# Altium PCB MB1297.PcbDoc (part 1 of 4)
Units mm, origin at the board's own origin, x right, y up, seen from the top; angles counter-clockwise.
Board outline 90.1 x 62.11 mm, 4 copper layers (Top Layer, GND, POWER+GND, Bottom Layer), stack 0.778 mm thick; 235 components, 174 nets, 1727 pads, 1 vias.
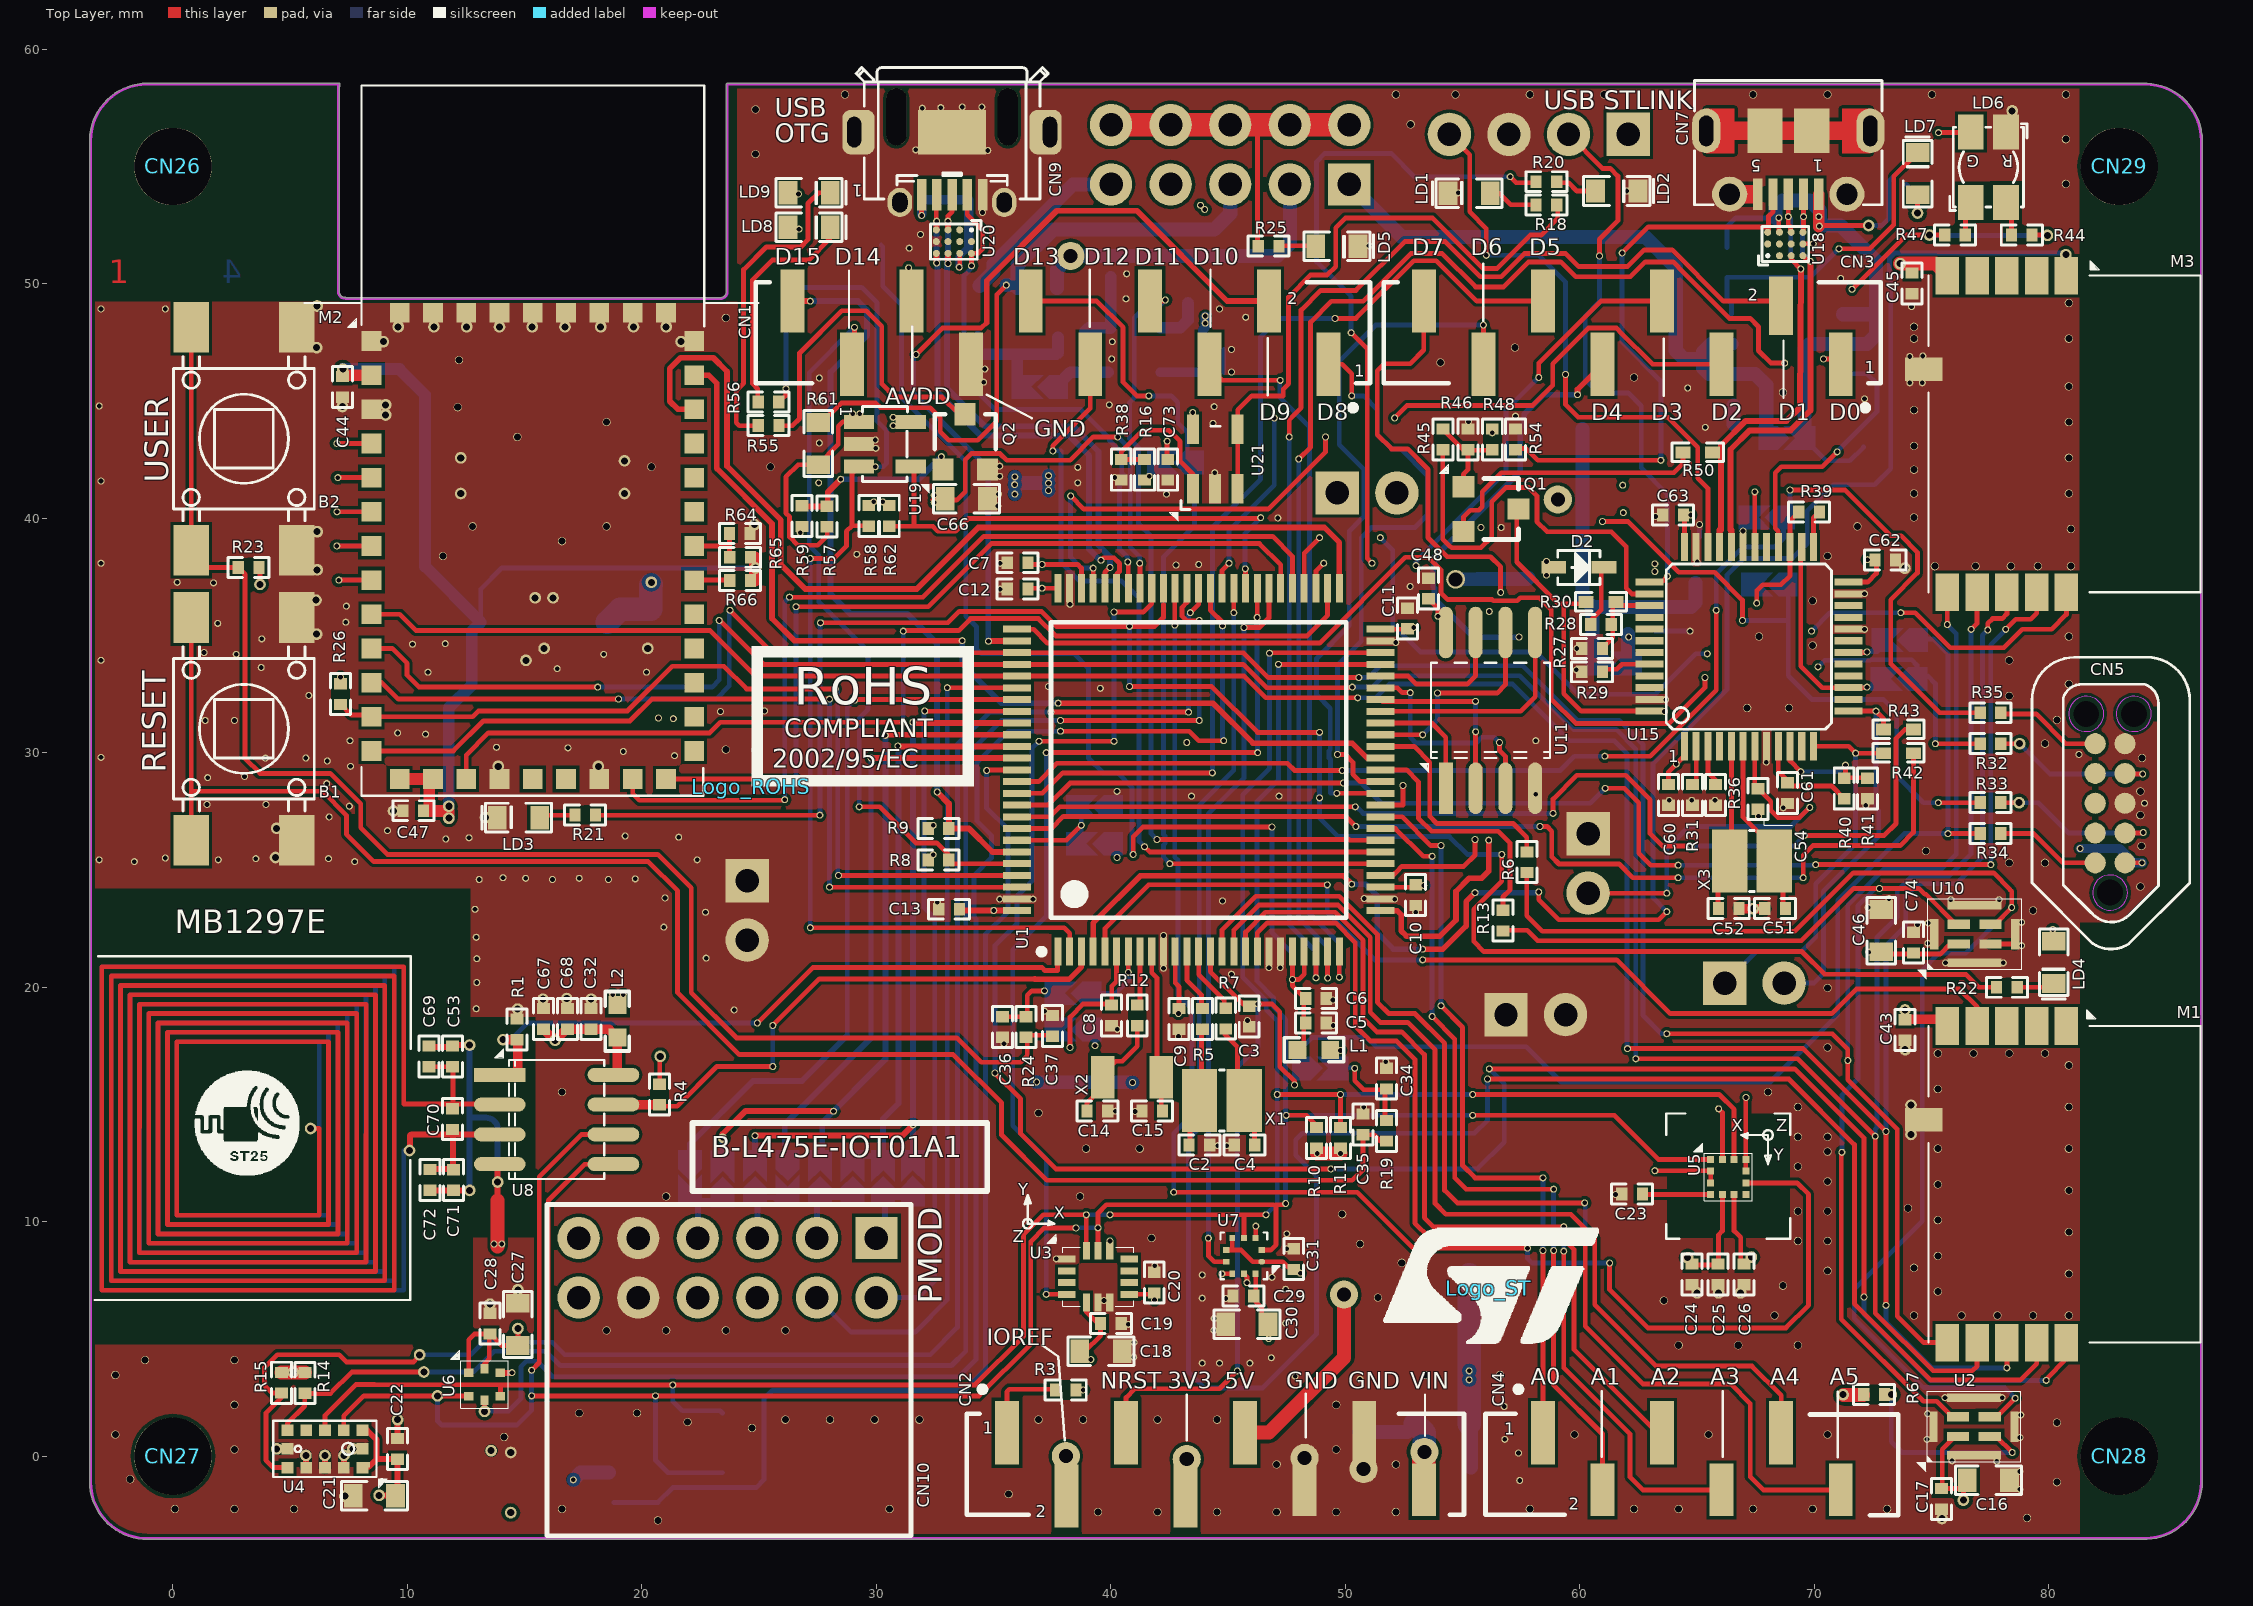
[diagram p0: Top Layer view]
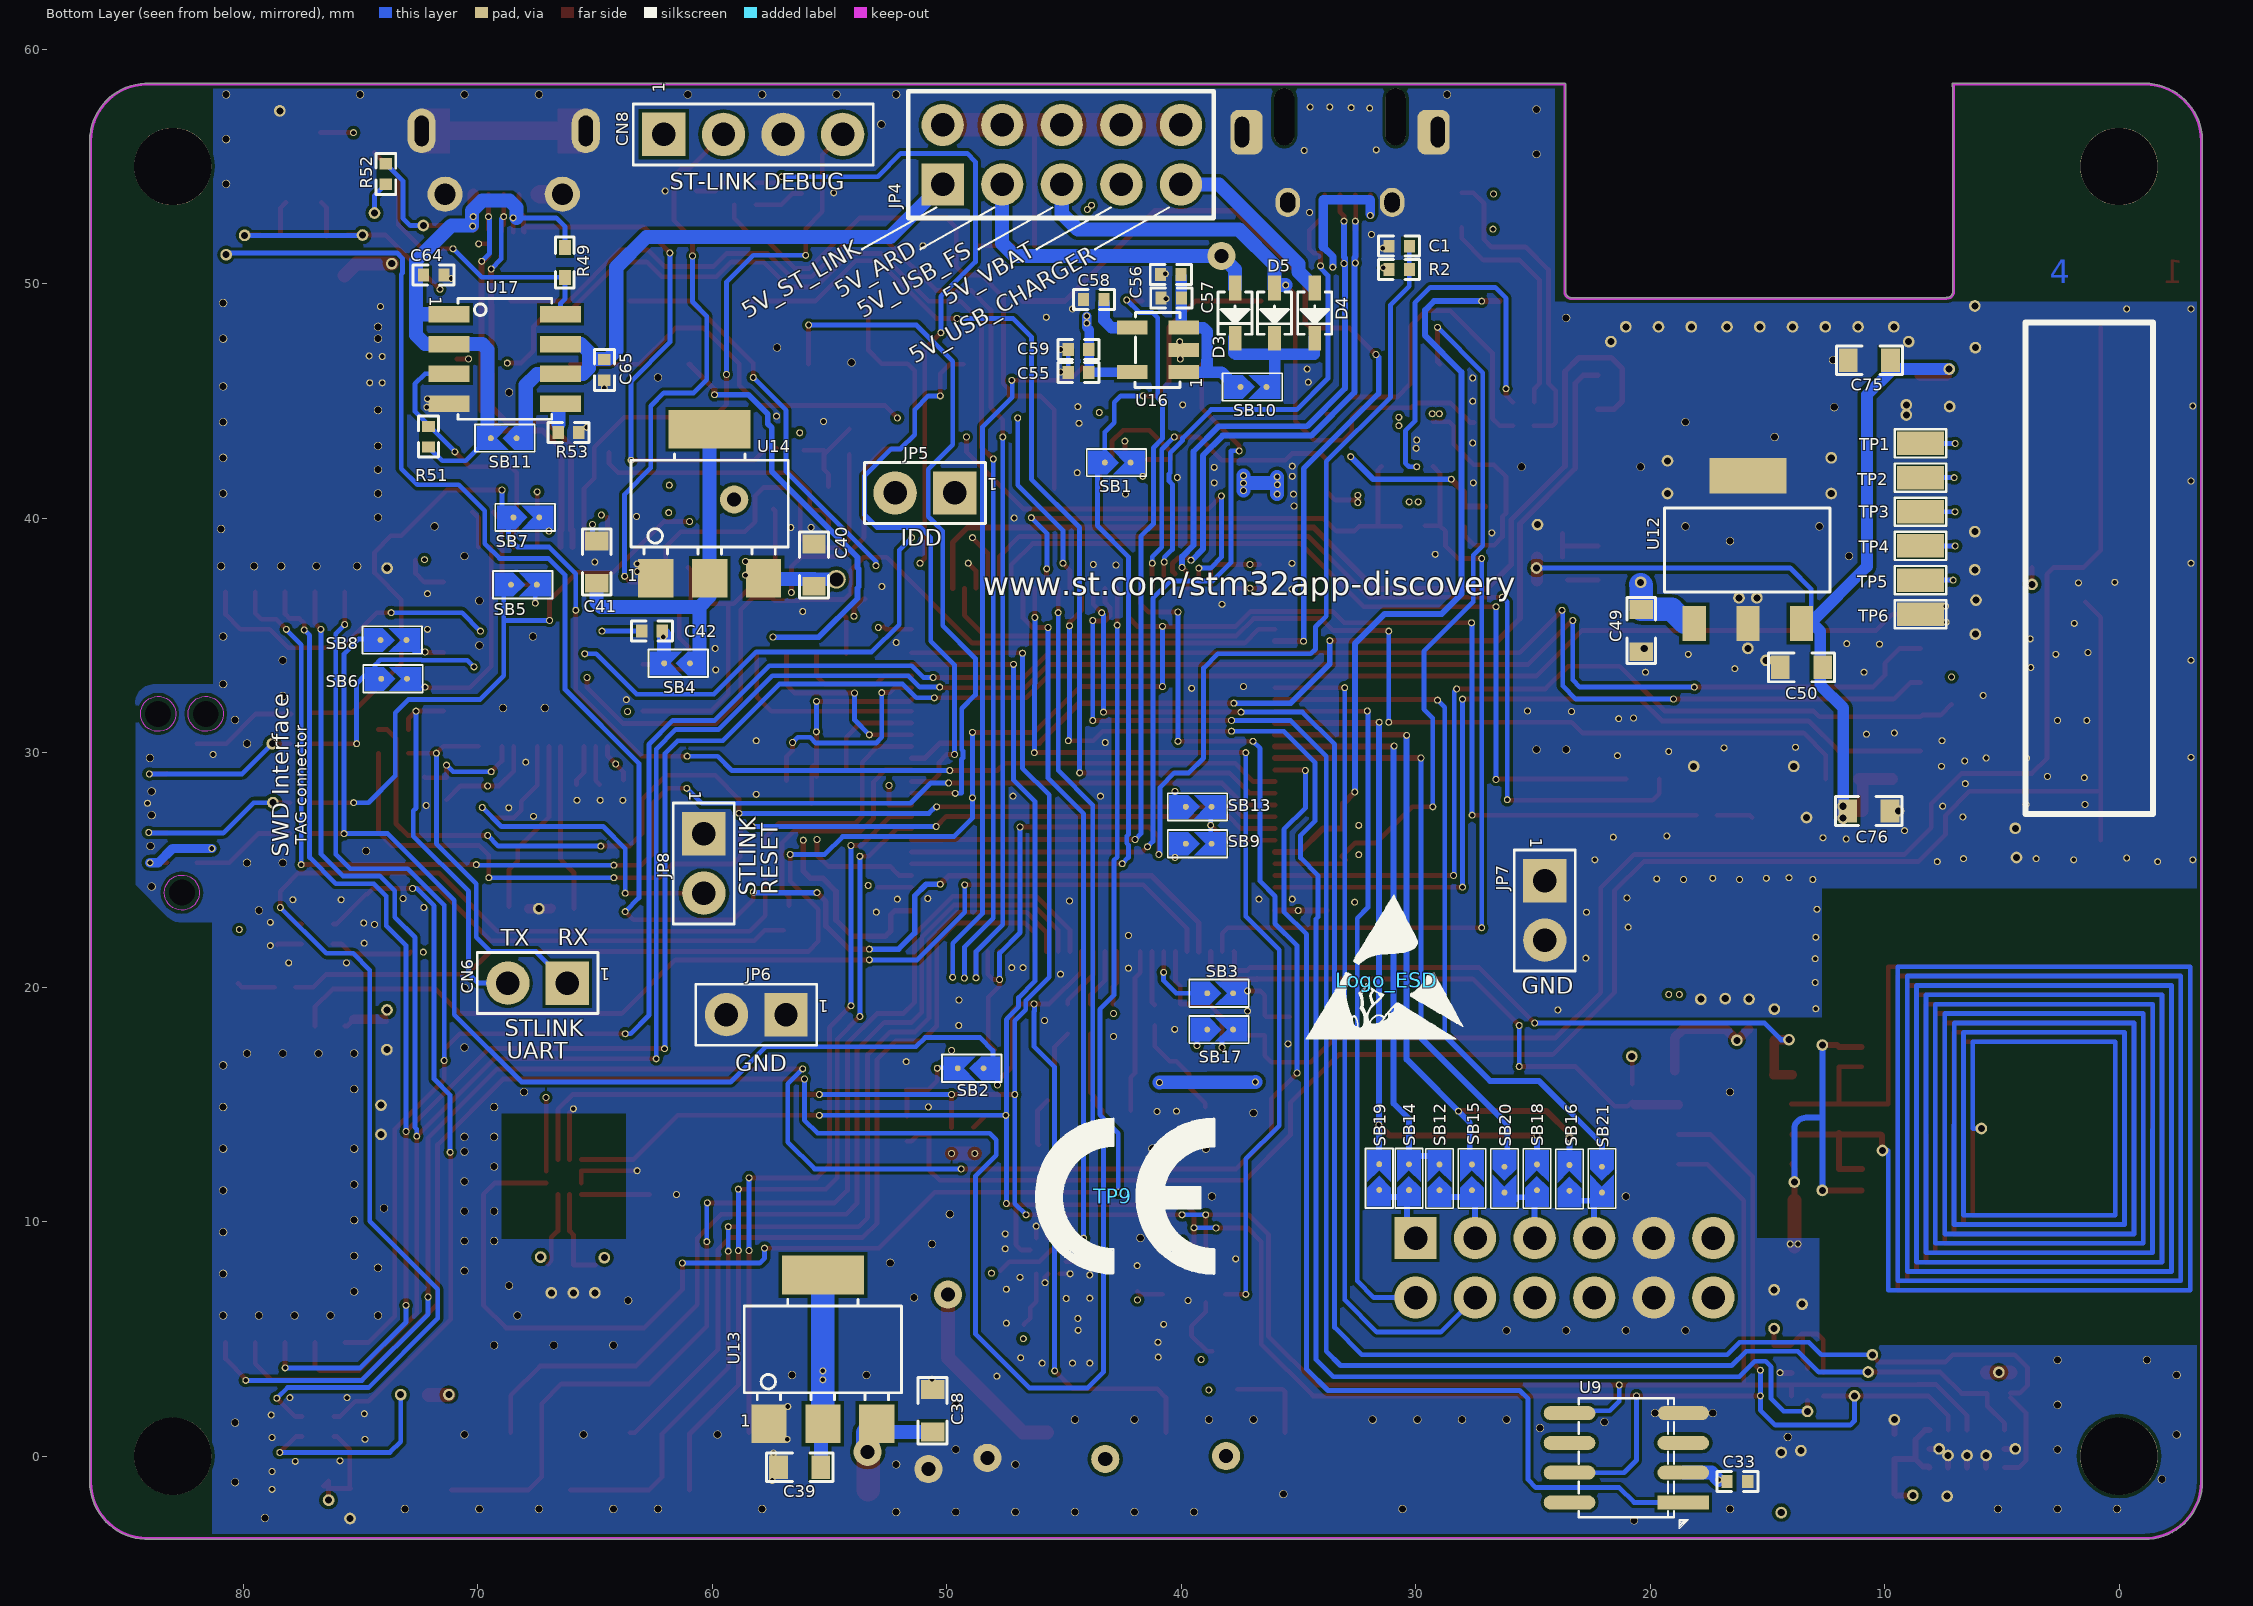
[diagram p1: Bottom Layer view, seen from below]
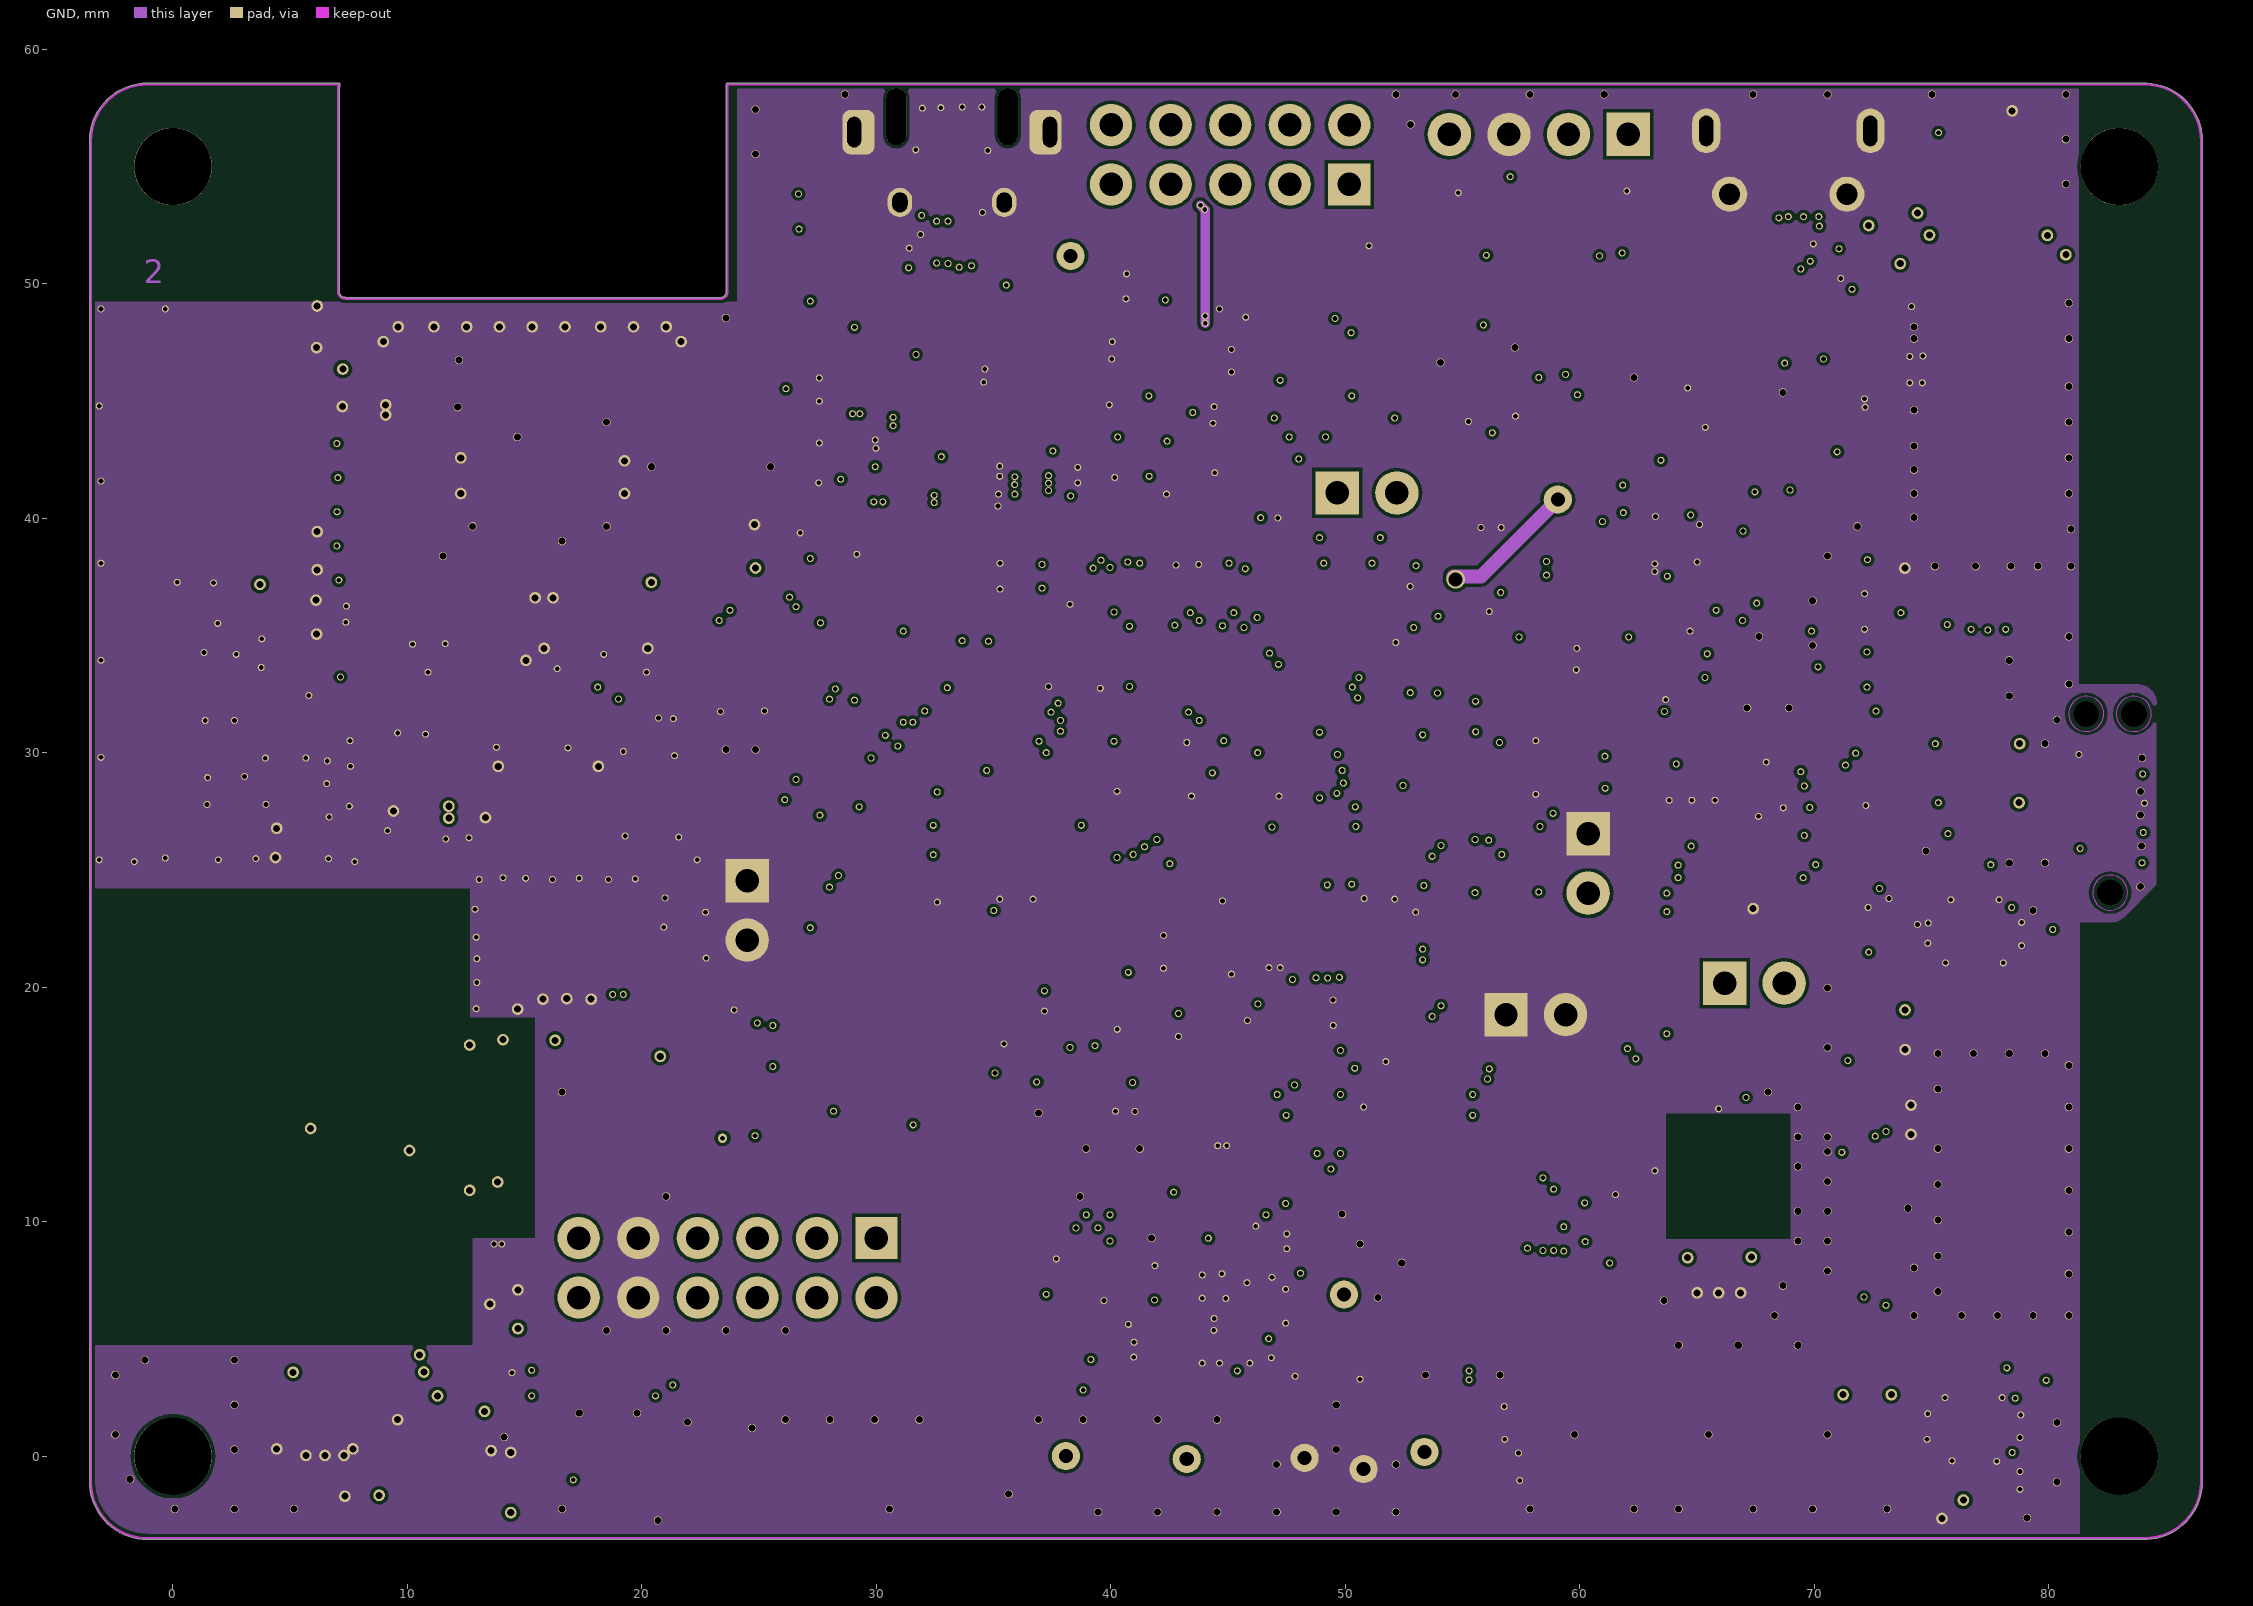
[diagram p2: GND]
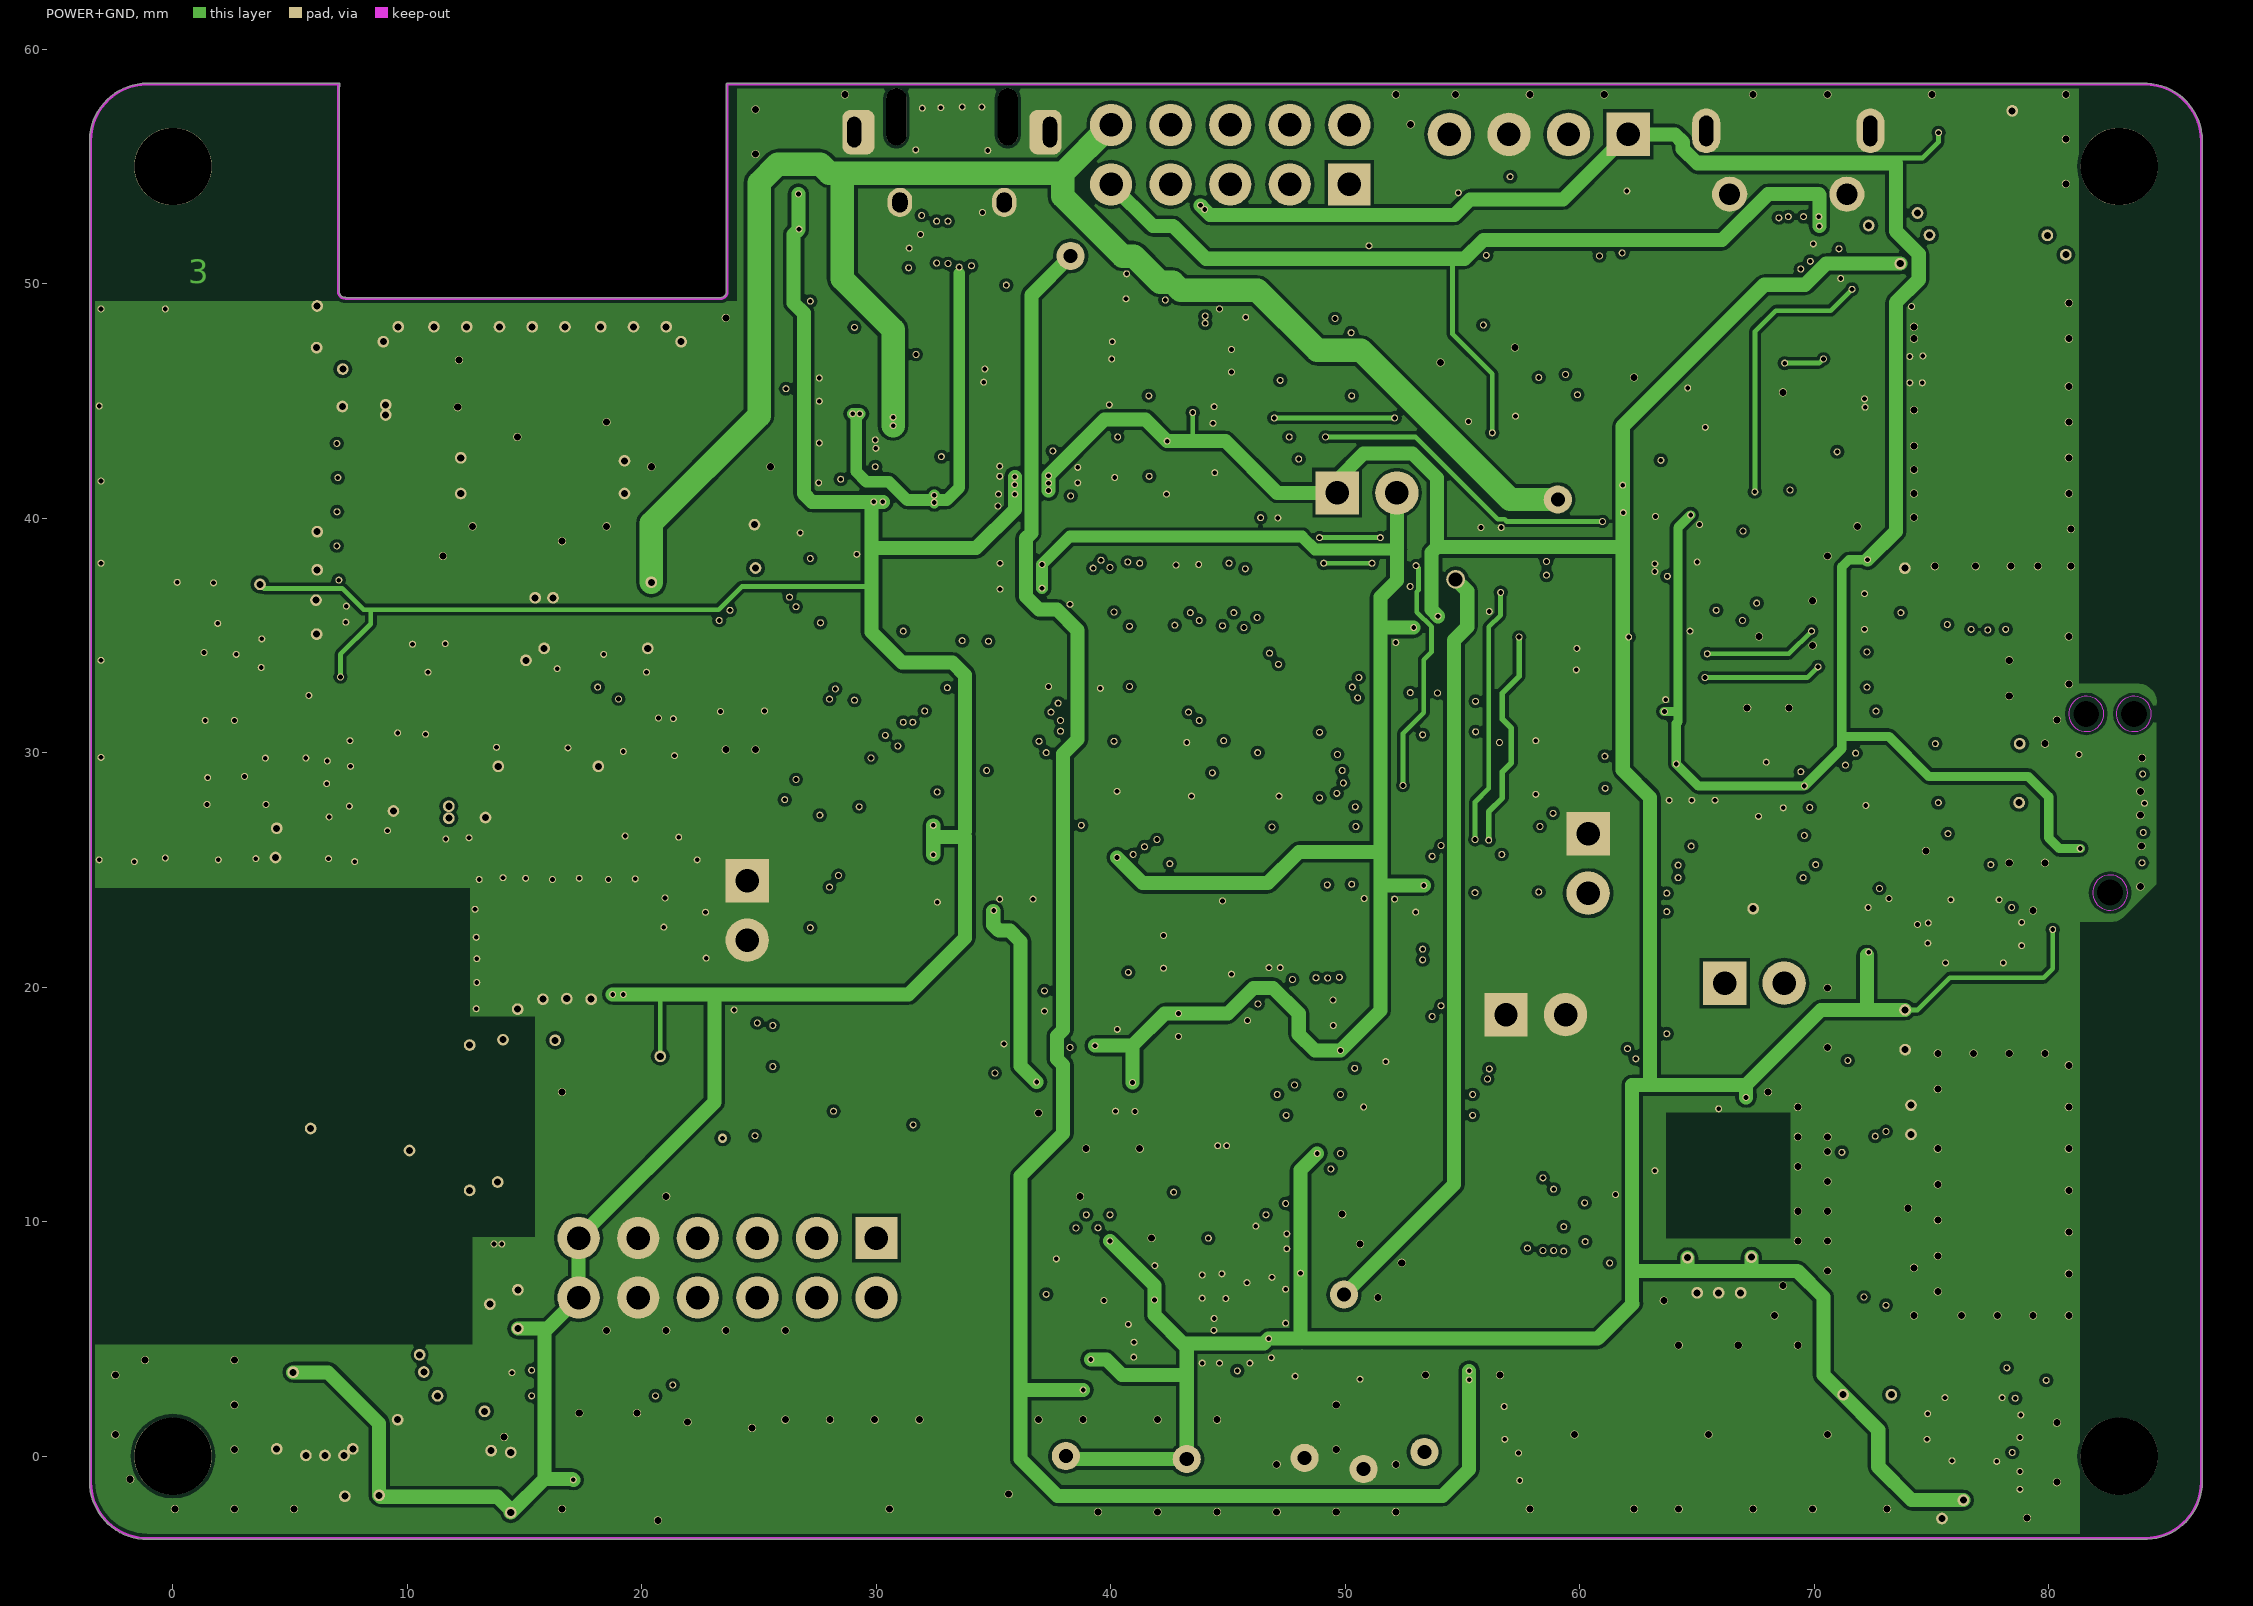
[diagram p3: POWER+GND]

## Layer stack, top to bottom
Top Solder: solder mask 0.0102, Solder Resist, Dk 3.5
Top Layer: signal copper 0.0356
Dielectric1: core 0.254, FR-4, Dk 4.2
GND: signal copper 0.036
Dielectric2: prepreg 0.127, Dk 4.2
POWER+GND: signal copper 0.036
Dielectric3: core 0.254, Dk 4.2
Bottom Layer: signal copper 0.0356
Bottom Solder: solder mask 0.0102, Solder Resist, Dk 3.5

## Board outline
-3.551,-1.089 ccw(c-1.085,-1.089) -1.085,-3.555 ccw(c-1.085,-3.504) -1.066,-3.551 84.073,-3.551 ccw(c84.081,-3.501) 84.081,-3.551 ccw(c84.081,-1.085) 84.131,-3.551 84.182,-3.551 ccw(c84.182,-3.5) 84.197,-3.549 ccw(c84.081,-1.085) 86.546,-1.105 ccw(c86.5,-1.085) 86.55,-1.085 86.55,56.314 ccw(c86.5,56.314) 86.53,56.354 ccw(c84.079,56.085) 84.192,58.549 ccw(c84.181,58.5) 84.181,58.55 84.162,58.55 ccw(c84.079,56.085) 84.079,58.551 ccw(c84.079,58.501) 84.067,58.55 23.652,58.55 ccw(c23.652,58.5) 23.601,58.499 ccw(c23.652,58.499) 23.601,58.499 23.601,49.692 ccw(c23.647,49.671) 23.596,49.668 cw(c23.347,49.658) 23.597,49.658 cw(c23.347,49.658) 23.359,49.408 cw(c23.347,49.658) 23.358,49.408 23.359,49.408 7.383,49.408 ccw(c7.356,49.366) 7.354,49.416 cw(c7.343,49.666) 7.094,49.655 ccw(c7.043,49.652) 7.092,49.664 7.092,58.405 ccw(c7.067,58.449) 7.118,58.449 7.118,58.501 ccw(c7.067,58.501) 7.118,58.501 ccw(c7.067,58.502) 7.118,58.502 ccw(c7.067,58.502) 7.067,58.552 -1.088,58.552 ccw(c-1.088,56.086) -3.541,56.344 ccw(c-3.5,56.315) -3.55,56.315 -3.55,56.224 ccw(c-1.088,56.086) -3.554,56.086 ccw(c-3.504,56.086) -3.55,56.067 -3.55,-1.082 ccw(c-3.5,-1.089)
